# KiCad board ergodonk_ds_oled.kicad_pcb (continued)
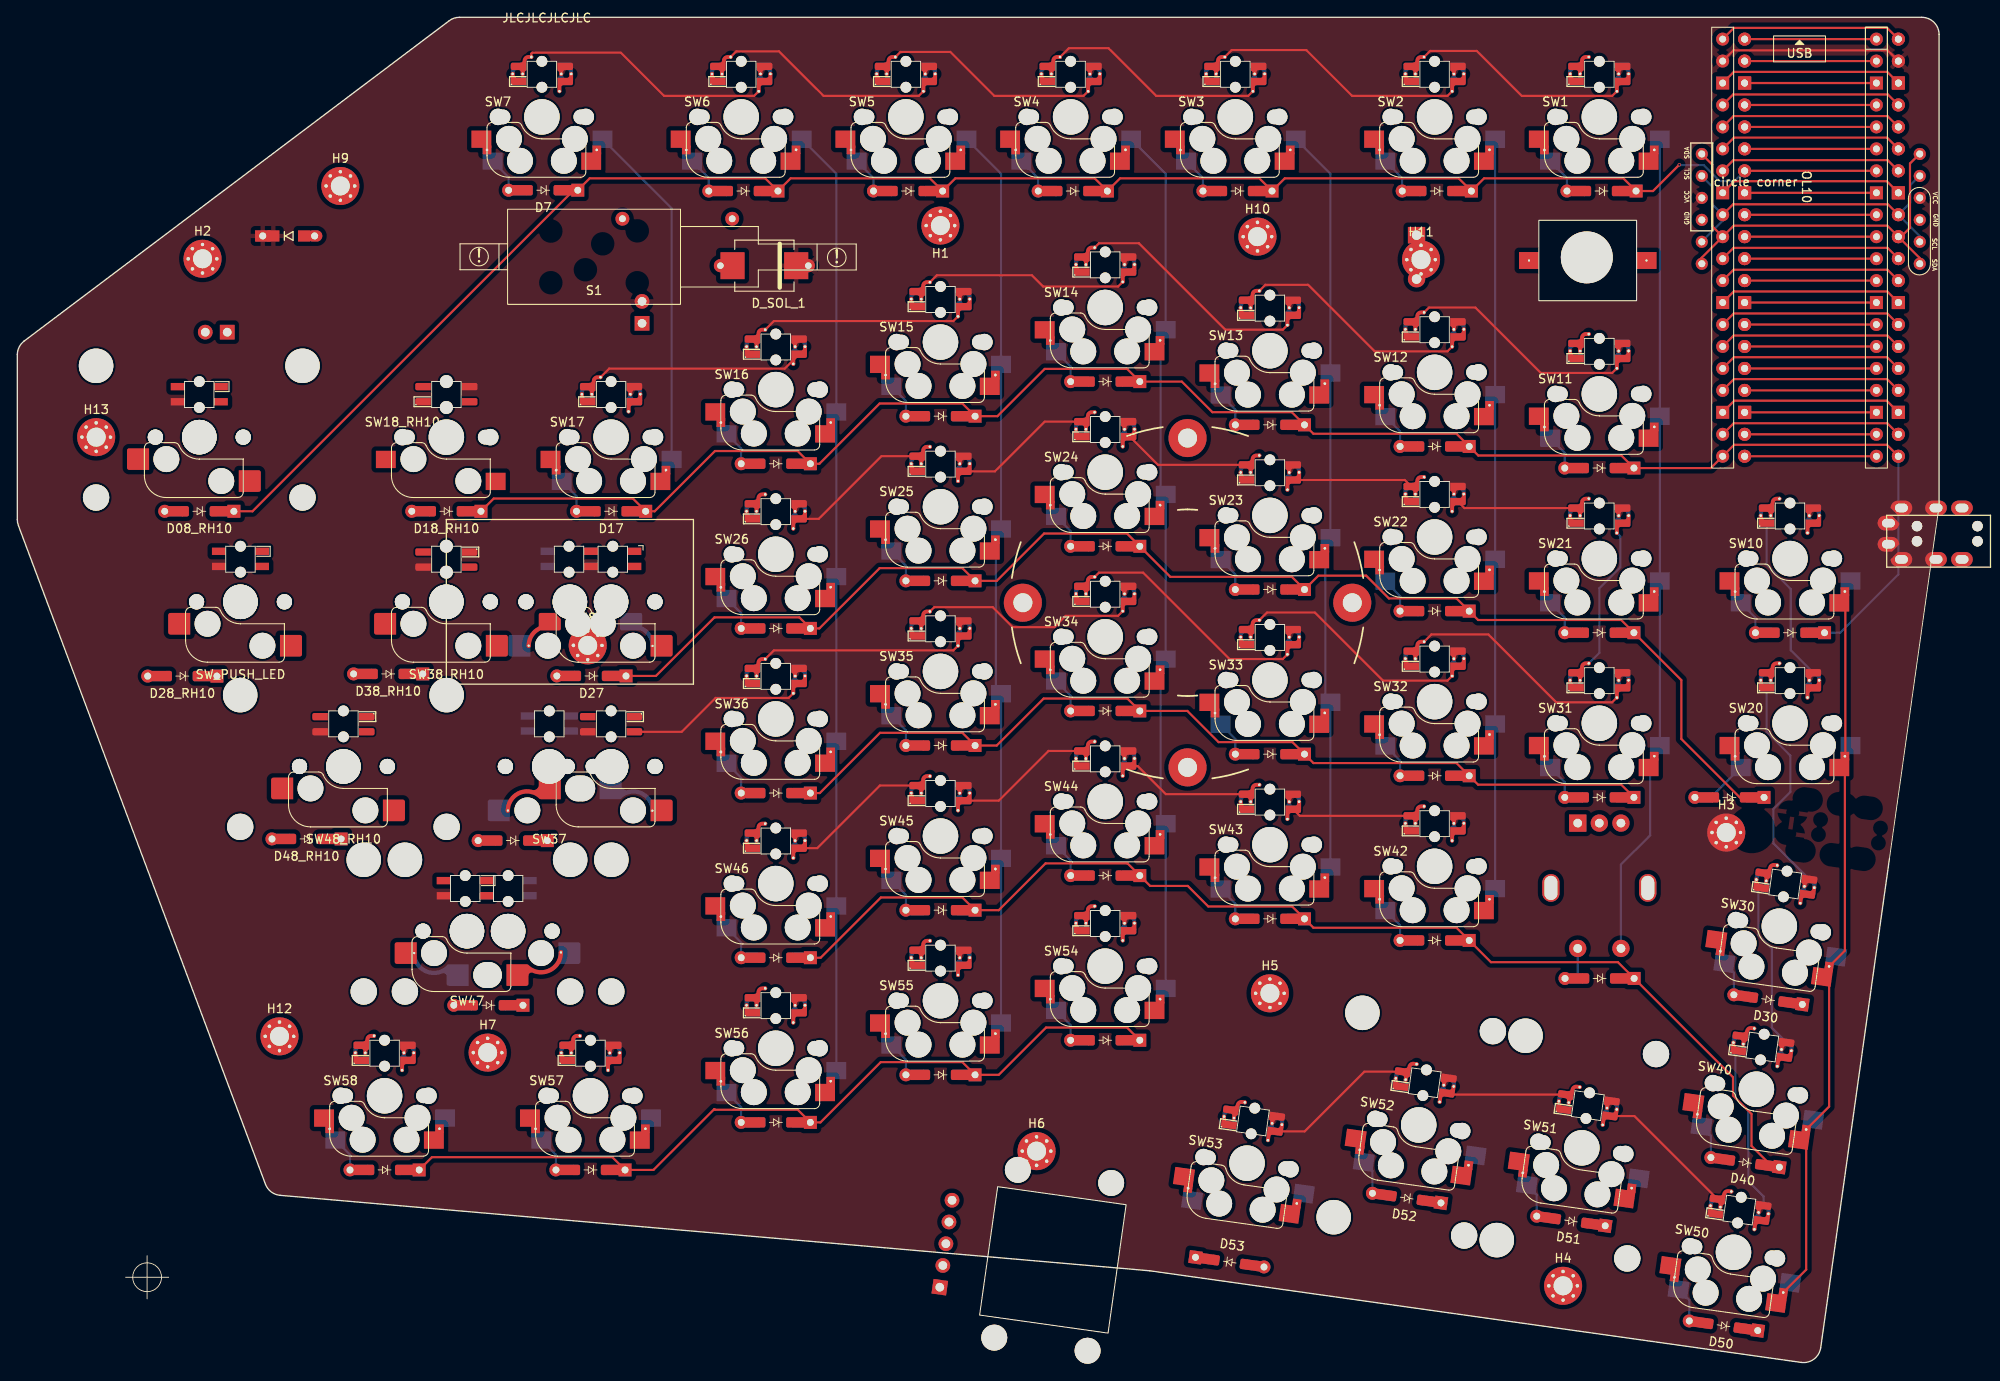
[diagram p0: board, top side]
## Footprints (pads in the part's own frame, mm; a bottom-side part is the same pattern mirrored in y, then rotated) (continued)
OLED SSD1306 128x64 UNVERIFIED v2
  round 1.397 hole 0.813: 1(-5.936,12.605) 1(-5.936,-12.605) 1(6.764,12.605) 1(6.764,-12.605) 2(-3.396,12.605) 2(-3.396,-12.605) 2(4.224,12.605) 2(4.224,-12.605) 3(-0.856,12.605) 3(-0.856,-12.605) 4(1.684,12.605) 4(1.684,-12.605)
pimoroni_trackball
  round 3 hole 3 unplated: (7.05,-14.7) (7.05,4.9) (17.95,-14.7) (17.95,4.9)
  rect 1.7x1.7 hole 1: 1(0,0)
  oval 1.7x1.7 hole 1: 2(0,-2.54) 3(0,-5.08) 4(0,-7.62) 5(0,-10.16)
PinHeader_1x02_P2.54mm_Vertical
  rect 1.7x1.7 hole 1: 1(0,0)
  oval 1.7x1.7 hole 1: 2(0,-2.54)
R_Axial_DIN0309_L9.0mm_D3.2mm_P12.70mm_Horizontal
  round 1.6 hole 0.8: 1(0,0)
  oval 1.6x1.6 hole 0.8: 2(12.7,0)
RotaryEncoder_EC11_ergodonk_variant
  oval 3.2x2 hole 2.8x1.5 unplated: (0,-5.6) (0,5.6)
  rect 2x2 hole 1: A(-7.5,2.5)
  round 2 hole 1: B(-7.5,-2.5) C(-7.5,0) S1(7,-2.5) S2(7,2.5)
RPi_Pico_SMD_TH - Junco -DS Sofle v3b v4
  round 1.5 hole 0.8: 1(-6.423,24.13) 1(-6.423,24.13) 1(8.817,24.13) 2(-6.423,21.59) 2(-6.423,21.59) 2(8.817,21.59) 4(-6.423,16.51) 4(-6.423,16.51) 4(8.817,16.51) 5(-6.423,13.97) 5(-6.423,13.97) 5(8.817,13.97) 6(-6.423,11.43) 6(-6.423,11.43) 6(8.817,11.43) 7(-6.423,8.89) 7(-6.423,8.89) 7(8.817,8.89) 9(-6.423,3.81) 9(-6.423,3.81) 9(8.817,3.81) 10(-6.423,1.27) 10(-6.423,1.27) 10(8.817,1.27) 11(-6.423,-1.27) 11(-6.423,-1.27) 11(8.817,-1.27) 12(-6.423,-3.81) 12(-6.423,-3.81) 12(8.817,-3.81) 14(-6.423,-8.89) 14(-6.423,-8.89) 14(8.817,-8.89) 15(-6.423,-11.43) 15(-6.423,-11.43) 15(8.817,-11.43) 16(-6.423,-13.97) 16(-6.423,-13.97) 16(8.817,-13.97) 17(-6.423,-16.51) 17(-6.423,-16.51) 17(8.817,-16.51) 19(-6.423,-21.59) 19(-6.423,-21.59) 19(8.817,-21.59) 20(-6.423,-24.13) 20(-6.423,-24.13) 20(8.817,-24.13) 21(-8.963,-24.13) 21(11.357,-24.13) 21(11.357,-24.13) 22(-8.963,-21.59) 22(11.357,-21.59) 22(11.357,-21.59) 24(-8.963,-16.51) 24(11.357,-16.51) 24(11.357,-16.51) 25(-8.963,-13.97) 25(11.357,-13.97) 25(11.357,-13.97) 26(-8.963,-11.43) 26(11.357,-11.43) 26(11.357,-11.43) 27(-8.963,-8.89) 27(11.357,-8.89) 27(11.357,-8.89) 29(-8.963,-3.81) 29(11.357,-3.81) 29(11.357,-3.81) 30(-8.963,-1.27) 30(11.357,-1.27) 30(11.357,-1.27) 31(-8.963,1.27) 31(11.357,1.27) 31(11.357,1.27) 32(-8.963,3.81) 32(11.357,3.81) 32(11.357,3.81) 34(-8.963,8.89) 34(11.357,8.89) 34(11.357,8.89) 35(-8.963,11.43) 35(11.357,11.43) 35(11.357,11.43) 36(-8.963,13.97) 36(11.357,13.97) 36(11.357,13.97) 37(-8.963,16.51) 37(11.357,16.51) 37(11.357,16.51) 39(-8.963,21.59) 39(11.357,21.59) 39(11.357,21.59) 40(-8.963,24.13) 40(11.357,24.13) 40(11.357,24.13)
  rect 1.5x1.5 hole 0.8: 3(-6.423,19.05) 3(-6.423,19.05) 3(8.817,19.05) 8(-6.423,6.35) 8(-6.423,6.35) 8(8.817,6.35) 13(-6.423,-6.35) 13(-6.423,-6.35) 13(8.817,-6.35) 18(-6.423,-19.05) 18(-6.423,-19.05) 18(8.817,-19.05) 23(-8.963,-19.05) 23(11.357,-19.05) 23(11.357,-19.05) 28(-8.963,-6.35) 28(11.357,-6.35) 28(11.357,-6.35) 33(-8.963,6.35) 33(11.357,6.35) 33(11.357,6.35) 38(-8.963,19.05) 38(11.357,19.05) 38(11.357,19.05)
Tenting_Puck.kicad_mod_nocenter
  round 4.4 hole 2.2: 1(-19.05,0) 1(0,19.05) 1(0,-19.05) 1(19.05,0)
Tip 120 with heatsink
  round 6 hole 6 unplated: (0.03,-8.453)
  rect 1.905x2 hole 1.1: 1(-2.54,11.238)
  oval 1.905x2 hole 1.1: 2(0,11.238) 3(2.54,11.238)
uxcell a14092600ux0438 solenoid
  round 0.001 hole 2.2 unplated: (-5,3) (-5,-3) (-1,-1.5) (1,1.5) (5,3) (5,-2.975)
V2_CherryMX_DoubleSided_Hotswap_miniE_1.5u_LH_1u_RH
  round 1.75 hole 1.75 unplated: (-5.08,0) (-5.08,0) (-0.318,0) (-0.318,0) (5.08,0) (5.08,0) (9.842,0) (9.842,0)
  round 3 hole 3 unplated: (-2.54,-5.08) (0.953,-2.54) (3.81,-2.54) (7.303,-5.08)
  round 1.25 hole 1.25 unplated: (-0.1,6.43) (-0.1,3.43) (4.963,6.43) (4.963,3.43)
  round 3.988 hole 3.988 unplated: (0,0) (0,0) (4.763,0) (4.763,0)
  rect 1.6x0.85 smd far side: 1(-2.6,5.845) 2(-2.6,4.095) 3(2.4,4.095) 4(2.4,5.845)
  rect 1.6x0.85 smd: 1(2.462,4.095) 2(2.462,5.845) 3(7.463,5.845) 4(7.463,4.095)
  custom 4.001x4.061 smd far side: 5(7.085,-2.3)
  round 0.5 hole 0.25: 5(9.561,-5.101) 6(-4.761,-5.08)
  rrect 2.55x2.5 smd: 5(10.604,-5.08)
  rrect 2.55x2.5 smd far side: 6(-5.842,-5.08)
  custom 3.964x4.04 smd: 6(-2.322,-2.3)
V2_CherryMX_DoubleSided_Hotswap_miniE_1.5u_RH_ONLY
  round 1.75 hole 1.75 unplated: (-5.08,0) (-5.08,0) (5.08,0) (5.08,0)
  round 3 hole 3 unplated: (-3.81,-2.54) (2.54,-5.08)
  round 1.25 hole 1.25 unplated: (0,6.43) (0,3.43)
  round 3.988 hole 3.988 unplated: (0,0) (0,0)
  rect 1.6x0.85 smd: 1(-2.5,4.095) 2(-2.5,5.845) 3(2.5,5.845) 4(2.5,4.095)
  rrect 2.55x2.5 smd: 5(5.842,-5.08) 6(-7.085,-2.54)
V2_CherryMX_DoubleSided_Hotswap_miniE_1.75u_LH_1u_RH
  round 1.75 hole 1.75 unplated: (-5.08,0) (-5.08,0) (2.064,0) (2.064,0) (5.08,0) (5.08,0) (12.224,0) (12.224,0)
  round 3 hole 3 unplated: (-2.54,-5.08) (3.334,-2.54) (3.81,-2.54) (9.684,-5.08)
  round 1.25 hole 1.25 unplated: (0,6.43) (0,3.43) (7.144,6.429) (7.144,3.43)
  round 3.988 hole 3.988 unplated: (0,0) (0,0) (7.144,0) (7.144,0)
  rrect 1.82x0.85 smd: (4.454,4.015)
  rrect 1.82x0.84 smd: (4.454,5.765) (9.834,4.02)
  rect 1.38x0.84 smd: (9.614,5.77)
  rrect 1.49x0.84 smd: (9.999,5.77)
  rect 1.6x0.85 smd far side: 1(-2.5,5.845) 2(-2.5,4.095) 3(2.5,4.095) 4(2.5,5.845)
  custom 1.8x0.85 smd: 1(4.444,4.015) 2(4.444,5.765) 3(9.844,5.76) 4(9.844,4.015)
  custom 6.373x4.074 smd far side: 5(7.085,-2.54)
  round 0.5 hole 0.25: 5(11.933,-5.114) 6(-4.796,-5.102)
  rrect 2.55x2.5 smd: 5(12.986,-5.08)
  rrect 2.55x2.5 smd far side: 6(-5.842,-5.08)
  custom 6.379x4.062 smd: 6(0.059,-2.54)
V2_CherryMX_DoubleSided_Hotswap_miniE_2.25u_LH_2.75u_RH
  round 3.988 hole 3.988 unplated: (-11.938,7.931) (-7.176,7.931) (0,-0.324) (0,-0.324) (4.763,-0.324) (4.763,-0.324) (11.938,7.931) (16.701,7.931)
  round 3.048 hole 3.048 unplated: (-11.938,-7.309) (-7.176,-7.309) (11.938,-7.309) (16.701,-7.309)
  round 1.75 hole 1.75 unplated: (-5.08,-0.324) (-5.08,-0.324) (-0.318,-0.324) (-0.318,-0.324) (5.08,-0.324) (5.08,-0.324) (9.842,-0.324) (9.842,-0.324)
  round 3 hole 3 unplated: (-3.81,-2.864) (2.223,-5.404) (2.54,-5.404) (8.572,-2.864)
  round 1.25 hole 1.25 unplated: (-0.2,6.105) (-0.19,3.106) (4.763,6.105) (4.763,3.106)
  rect 1.6x0.85 smd: 1(-2.7,3.77) 2(-2.7,5.52) 3(2.3,5.52) 4(2.3,3.77)
  rect 1.6x0.85 smd far side: 1(2.263,5.52) 2(2.263,3.77) 3(7.263,3.77) 4(7.263,5.52)
  custom 6.551x4.116 smd: 5(5.842,-5.404)
  round 0.5 hole 0.25: 5(10.87,-2.78) 6(-6.107,-2.864)
  rrect 2.55x2.5 smd far side: 5(11.848,-2.864)
  rrect 2.55x2.5 smd: 6(-7.085,-2.864)
  custom 6.552x4.04 smd far side: 6(-1.079,-5.404)
V2_CherryMX_DoubleSided_Hotswap_miniE_2.25u_RH_ONLY
  round 3.988 hole 3.988 unplated: (-11.938,8.255) (0,0) (0,0) (11.938,8.255)
  round 3.048 hole 3.048 unplated: (-11.938,-6.985) (11.938,-6.985)
  round 1.75 hole 1.75 unplated: (-5.08,0) (-5.08,0) (5.08,0) (5.08,0)
  round 3 hole 3 unplated: (-3.81,-2.54) (2.54,-5.08)
  rrect 1.82x0.85 smd: (-2.69,4.015)
  rrect 1.82x0.84 smd: (-2.69,5.765) (2.69,4.02)
  round 1.25 hole 1.25 unplated: (0,6.429) (0,3.43)
  rect 1.38x0.84 smd: (2.47,5.77)
  rrect 1.49x0.84 smd: (2.855,5.77)
  custom 1.8x0.85 smd: 1(-2.7,4.015) 2(-2.7,5.765) 3(2.7,5.76) 4(2.7,4.015)
  rrect 2.55x2.5 smd: 5(5.842,-5.08) 6(-7.085,-2.54)
V2_CherryMX_DoubleSided_Hotswap_miniE_2u_RH_ONLY
  round 3.988 hole 3.988 unplated: (-11.938,8.255) (0,0) (0,0) (11.938,8.255)
  round 3.048 hole 3.048 unplated: (-11.938,-6.985) (11.938,-6.985)
  round 1.75 hole 1.75 unplated: (-5.08,0) (-5.08,0) (5.08,0) (5.08,0)
  round 3 hole 3 unplated: (-3.81,-2.54) (2.54,-5.08)
  round 1.25 hole 1.25 unplated: (0,6.43) (0,3.43)
  rect 1.6x0.85 smd: 1(-2.5,4.095) 2(-2.5,5.845) 3(2.5,5.845) 4(2.5,4.095)
  rrect 2.55x2.5 smd: 5(5.842,-5.08) 6(-7.085,-2.54)
V2_CherryMX_DS_Hotswap_miniE_1U_SEED_RH
  round 1.75 hole 1.75 unplated: (-5.08,0) (-5.08,0) (5.08,0) (5.08,0)
  round 3 hole 3 unplated: (-3.81,-2.54) (2.54,-5.08)
  rrect 1.82x0.85 smd: (-2.69,4.015)
  rrect 1.82x0.84 smd: (-2.69,5.765) (2.69,4.02)
  round 1.5 hole 1.5 unplated: (0,6.429) (0,3.43)
  round 3.988 hole 3.988 unplated: (0,0) (0,0)
  rect 1.38x0.84 smd: (2.47,5.77)
  rrect 1.49x0.84 smd: (2.855,5.77)
  custom 1.8x0.85 smd: 1(-2.7,4.015) 2(-2.7,5.765) 3(2.7,5.76) 4(2.7,4.015)
  rrect 2.55x2.5 smd: 5(5.842,-5.08) 6(-7.085,-2.54)

## Nets
GND: J10.5 J11.2 LS10.2 OL10.4 Q1.3 SW1.3 SW2.3 SW3.3 SW4.3 SW5.3 SW6.3 SW7.3 SW08_RH10.3 SW10.3 SW11.3 SW12.3 SW13.3 SW14.3 SW15.3 SW16.3 SW17.3 SW18_RH10.3 SW20.3 SW21.3 SW22.3 SW23.3 SW24.3 SW25.3 SW26.3 SW27.3 SW28_RH10.3 SW30.3 SW31.3 SW32.3 SW33.3 SW34.3 SW35.3 SW36.3 SW37.3 SW38_RH10.3 SW40.3 SW42.3 SW43.3 SW44.3 SW45.3 SW46.3 SW47.3 SW48_RH10.3 SW50.3 SW51.3 SW52.3 SW53.3 SW54.3 SW55.3 SW56.3 SW57.3 SW58.3 SWLH_ROT1.C U11.23 U11.28
VCC: D18.1 D_SOL_1.C J10.1 J11.1 J_SOL_1.2 OL10.3 SW1.1 SW2.1 SW3.1 SW4.1 SW5.1 SW6.1 SW7.1 SW08_RH10.1 SW10.1 SW11.1 SW12.1 SW13.1 SW14.1 SW15.1 SW16.1 SW17.1 SW18_RH10.1 SW20.1 SW21.1 SW22.1 SW23.1 SW24.1 SW25.1 SW26.1 SW27.1 SW28_RH10.1 SW30.1 SW31.1 SW32.1 SW33.1 SW34.1 SW35.1 SW36.1 SW37.1 SW38_RH10.1 SW40.1 SW42.1 SW43.1 SW44.1 SW45.1 SW46.1 SW47.1 SW48_RH10.1 SW50.1 SW51.1 SW52.1 SW53.1 SW54.1 SW55.1 SW56.1 SW57.1 SW58.1 U11.39
col0: SW10.6 SW20.6 SW30.6 SW40.6 SW50.6 U11.12
col2: SW2.6 SW12.6 SW22.6 SW32.6 SW42.6 SW52.6 U11.15
col3: SW3.6 SW13.6 SW23.6 SW33.6 SW43.6 SW53.6 U11.16
col4: SW4.6 SW14.6 SW24.6 SW34.6 SW44.6 SW54.6 U11.17
col5: SW5.6 SW15.6 SW25.6 SW35.6 SW45.6 SW55.6 U11.19
col6: SW6.6 SW16.6 SW26.6 SW36.6 SW46.6 SW56.6 U11.4
col7: SW7.6 SW17.6 SW27.6 SW37.6 SW47.6 SW57.6 U11.5
col8: SW08_RH10.6 SW18_RH10.6 SW28_RH10.6 SW38_RH10.6 SW48_RH10.6 SW58.6 U11.20
DATA: J11.3 U11.1
encA: SWLH_ROT1.A U11.25
encB: SWLH_ROT1.B U11.24
LED: SW11.4 U11.2
row0: D1.1 D2.1 D3.1 D4.1 D5.1 D6.1 D7.1 D08_RH10.1 U11.7
row1: D10.1 D11.1 D12.1 D13.1 D14.1 D15.1 D16.1 D17.1 D18_RH10.1 U11.21
row2: D20.1 D21.1 D22.1 D23.1 D24.1 D25.1 D26.1 D27.1 D28_RH10.1 U11.6
row3: D30.1 D31.1 D32.1 D33.1 D34.1 D35.1 D36.1 D37.1 D38_RH10.1 U11.9
row4: D40.1 D41.1 D42.1 D43.1 D44.1 D45.1 D46.1 D47.1 D48_RH10.1 U11.10
row5: D50.1 D51.1 D52.1 D53.1 D54.1 D55.1 D56.1 D57.1 D58.1 U11.11
SCL: J10.3 OL10.2 U11.32
SDA: J10.2 OL10.1 U11.31
SOLENOID_CONTROL: R2.2 U11.26
SPEAKER: LS10.1 U11.27
SW41A: SW1.6 SW11.6 SW21.6 SW31.6 SW51.6 SWLH_ROT1.S1 U11.14
SW41B: D41.2 SWLH_ROT1.S2
Net-(D1-A): D1.2 SW1.5
Net-(D2-A): D2.2 SW2.5
Net-(D3-A): D3.2 SW3.5
Net-(D4-A): D4.2 SW4.5
Net-(D5-A): D5.2 SW5.5
Net-(D6-A): D6.2 SW6.5
Net-(D7-A): D7.2 SW7.5
Net-(D08_RH10-A): D08_RH10.2 SW08_RH10.5
Net-(D10-A): D10.2 SW10.5
Net-(D11-A): D11.2 SW11.5
Net-(D12-A): D12.2 SW12.5
Net-(D13-A): D13.2 SW13.5
Net-(D14-A): D14.2 SW14.5
Net-(D15-A): D15.2 SW15.5
Net-(D16-A): D16.2 SW16.5
Net-(D17-A): D17.2 SW17.5
Net-(D18-A): D18.2 U11.40
Net-(D18_RH10-A): D18_RH10.2 SW18_RH10.5
Net-(D20-A): D20.2 SW20.5
Net-(D21-A): D21.2 SW21.5
Net-(D22-A): D22.2 SW22.5
Net-(D23-A): D23.2 SW23.5
Net-(D24-A): D24.2 SW24.5
Net-(D25-A): D25.2 SW25.5
Net-(D26-A): D26.2 SW26.5
Net-(D27-A): D27.2 SW27.5
Net-(D28_RH10-A): D28_RH10.2 SW28_RH10.5
Net-(D30-A): D30.2 SW30.5
Net-(D31-A): D31.2 SW31.5
Net-(D32-A): D32.2 SW32.5
Net-(D33-A): D33.2 SW33.5
Net-(D34-A): D34.2 SW34.5
Net-(D35-A): D35.2 SW35.5
Net-(D36-A): D36.2 SW36.5
Net-(D37-A): D37.2 SW37.5
Net-(D38_RH10-A): D38_RH10.2 SW38_RH10.5
Net-(D40-A): D40.2 SW40.5
Net-(D42-A): D42.2 SW42.5
Net-(D43-A): D43.2 SW43.5
Net-(D44-A): D44.2 SW44.5
Net-(D45-A): D45.2 SW45.5
Net-(D46-A): D46.2 SW46.5
Net-(D47-A): D47.2 SW47.5
Net-(D48_RH10-A): D48_RH10.2 SW48_RH10.5
Net-(D50-A): D50.2 SW50.5
Net-(D51-A): D51.2 SW51.5
Net-(D52-A): D52.2 SW52.5
Net-(D53-A): D53.2 SW53.5
Net-(D54-A): D54.2 SW54.5
Net-(D55-A): D55.2 SW55.5
Net-(D56-A): D56.2 SW56.5
Net-(D57-A): D57.2 SW57.5
Net-(D58-A): D58.2 SW58.5
Net-(J_SOL_1-Pin_1): D_SOL_1.A J_SOL_1.1 Q1.2
Net-(JP3-A): JP3.1 SW48_RH10.4 SW58.2
Net-(JP3-B): JP3.2 SW08_RH10.2 SW53.4
Net-(Q1-B): Q1.1 R2.1
Net-(SW1B-DOUT): SW1.2 SW2.4
Net-(SW2B-DOUT): SW2.2 SW3.4
Net-(SW3B-DOUT): SW3.2 SW4.4
Net-(SW4B-DOUT): SW4.2 SW5.4
Net-(SW5B-DOUT): SW5.2 SW6.4
Net-(SW6B-DOUT): SW6.2 SW7.4
Net-(SW08_RH10B-DIN): SW08_RH10.4 SW18_RH10.2
Net-(SW10B-DIN): SW10.4 SW20.2
Net-(SW10B-DOUT): SW1.4 SW10.2
Net-(SW11B-DOUT): SW11.2 SW12.4
Net-(SW12B-DOUT): SW12.2 SW13.4
Net-(SW13B-DOUT): SW13.2 SW14.4
Net-(SW14B-DOUT): SW14.2 SW15.4
Net-(SW15B-DOUT): SW15.2 SW16.4
Net-(SW16B-DOUT): SW16.2 SW17.4
Net-(SW17B-DOUT): SW17.2 SW27.4
Net-(SW18_RH10B-DIN): SW18_RH10.4 SW28_RH10.2
Net-(SW20B-DIN): SW20.4 SW30.2
Net-(SW21B-DIN): SW21.4 SW22.2
Net-(SW21B-DOUT): SW21.2 SW31.4
Net-(SW22B-DIN): SW22.4 SW23.2
Net-(SW23B-DIN): SW23.4 SW24.2
Net-(SW24B-DIN): SW24.4 SW25.2
Net-(SW25B-DIN): SW25.4 SW26.2
Net-(SW26B-DIN): SW26.4 SW27.2
Net-(SW28_RH10B-DIN): SW28_RH10.4 SW38_RH10.2
Net-(SW30B-DIN): SW30.4 SW40.2
Net-(SW31B-DOUT): SW31.2 SW32.4
Net-(SW32B-DOUT): SW32.2 SW33.4
Net-(SW33B-DOUT): SW33.2 SW34.4
Net-(SW34B-DOUT): SW34.2 SW35.4
Net-(SW35B-DOUT): SW35.2 SW36.4
Net-(SW36B-DOUT): SW36.2 SW37.4
Net-(SW37B-DOUT): SW37.2 SW47.4
Net-(SW38_RH10B-DIN): SW38_RH10.4 SW48_RH10.2
Net-(SW40B-DIN): SW40.4 SW50.2
Net-(SW42B-DIN): SW42.4 SW43.2
Net-(SW42B-DOUT): SW42.2 SW54.4
Net-(SW43B-DIN): SW43.4 SW44.2
Net-(SW44B-DIN): SW44.4 SW45.2
Net-(SW45B-DIN): SW45.4 SW46.2
Net-(SW46B-DIN): SW46.4 SW47.2
Net-(SW50B-DIN): SW50.4 SW51.2
Net-(SW51B-DIN): SW51.4 SW52.2
Net-(SW52B-DIN): SW52.4 SW53.2
Net-(SW54B-DOUT): SW54.2 SW55.4
Net-(SW55B-DOUT): SW55.2 SW56.4
Net-(SW56B-DOUT): SW56.2 SW57.4
Net-(SW57B-DOUT): SW57.2 SW58.4

Pads without a net: H1 1; H2 1; H3 1; H4 1; H5 1; H6 1; H7 1; H8 1; H9 1; H10 1; H11 1; H12 1; H13 1; J10 4; J11 4; REF**#2 1; SW7 2; U11 3 8 13 18 22 29 30 33 34 35 36 37 38

## Via types
v1: diameter 0.4, hole 0.25, Top to Bottom, 1 via

## Routing (per net, layer and track width the routed paths; a pad name or vN(x,y) marks a point on that pad's centre or on a via; arc(x,y) is an arc through that point)
GND: length 42.8
  Top w0.25: U11.23 198.59,111.26 216.21,111.26 U11.23 ; U11.28 198.53,123.9 216.27,123.9 U11.28
VCC: length 21.3
  Top w0.25: U11.39 198.48,151.79 216.32,151.79 U11.39
col0: length 99.3
  Top w0.25: SW50.6 206.9,10.73 SW40.6 209.55,29.6 SW30.6 211.38,47.64 SW20.6 211.43,70.19 211.43,89.13 SW10.6 ; U11.12 U11.12
col2: length 102
  Top w0.25: U11.15 U11.15 ; 170.33,53.64 SW42.6
  Bottom w0.25: SW2.6 SW12.6 SW22.6 SW32.6 SW42.6
col3: length 101.1
  Top w0.25: U11.16 U11.16
  Bottom w0.25: SW33.6 151.28,75.19 151.28,94.13 SW23.6 ; SW23.6 SW13.6 151.88,137.52 SW3.6 ; SW33.6 SW43.6
col4: length 115.2
  Top w0.25: U11.17 U11.17
  Bottom w0.25: SW14.6 132.23,118.18 132.23,99.24 SW24.6 ; SW34.6 132.23,80.08 132.23,61.14 SW44.6 ; SW4.6 132.82,137.52 SW14.6 ; SW34.6 SW24.6 ; SW54.6 SW44.6
col5: length 119.2
  Top w0.25: U11.19 U11.19
  Bottom w0.25: SW35.6 SW45.6 SW55.6 ; SW35.6 113.18,76.19 113.18,95.13 SW25.6 ; SW25.6 SW15.6 113.77,137.52 SW5.6
col6: length 124.6
  Top w0.25: U11.4 U11.4
  Bottom w0.25: SW56.6 SW46.6 SW36.6 SW26.6 SW16.6 94.73,137.52 SW6.6
col7: length 55.6
  Top w0.25: U11.5 U11.5
  Bottom w0.25: SW7.6 75.67,133.52 SW17.6
col8: length 15.2
  Top w0.25: U11.20 U11.20
DATA: length 15.2
  Top w0.25: U11.1 U11.1
encA: length 21.4
  Top w0.25: U11.25 198.54,116.29 216.26,116.29 U11.25
encB: length 21.4
  Top w0.25: U11.24 198.55,113.76 216.25,113.76 U11.24
LED: length 15.2
  Top w0.25: U11.2 U11.2
row0: length 215.2
  Top w0.25: D08_RH10.1 27.2,98.47 64.34,135.61 D7.1 66.2,136.99 86.5,136.99 D6.1 89.44,136.99 105.55,136.99 D5.1 108.49,136.99 124.61,136.99 D4.1 127.55,136.99 143.65,136.99 D3.1 146.59,136.99 166.7,136.99 D2.1 169.64,136.99 185.75,136.99 D1.1 189.18,135.52 v1(192.23,138.56) ; U11.7 U11.7
  Bottom w0.25: U11.7 198.59,136.66 196.91,136.66 195.06,138.51 192.27,138.51 v1(192.23,138.56)
row1: length 205.8
  Top w0.25: U11.21 216.23,106.16 198.57,106.16 U11.21 195.88,103.47 D11.1 185.52,104.92 168.97,104.92 D12.1 166.45,107.44 149.9,107.44 D13.1 147.41,109.93 138.23,109.93 134.69,113.47 D14.1 128.36,114.94 118.83,114.94 113.36,109.47 D15.1 109.3,110.94 99.74,110.94 92.77,103.97 D16.1 90.25,105.44 80.69,105.44 73.72,98.47 D17.1 71.2,99.94 55.09,99.94 D18_RH10.1
  Bottom w0.25: D10.1 210.82,84.42 217.56,91.16 U11.21
row2: length 173.9
  Top w0.25: U11.6 U11.6 ; D27.1 73.86,79.42 80.64,86.2 90.45,86.2 D26.1 92.77,84.92 99.74,91.89 109.3,91.89 D25.1 113.28,90.42 118.75,95.89 128.36,95.89 D24.1 133.36,90.88 147.41,90.88 D23.1 150.48,91.02 156,91.02 158.64,88.39 166.45,88.39 D22.1 168.95,85.89 185.5,85.89 D21.1 192.45,78.94 192.45,72.13 199.22,65.37 D20.1
row3: length 121
  Top w0.25: U11.9 U11.9 ; D31.1 185.5,66.84 168.95,66.84 D32.1 166.45,69.34 149.9,69.34 D33.1 147.48,71.76 138.94,71.76 135.33,75.37 D34.1 128.39,76.8 118.7,76.8 113.27,71.37 D35.1 109.3,72.84 99.78,72.84 92.81,65.87 D36.1
row4: length 151
  Top w0.25: U11.10 U11.10 ; D40.1 203.04,22.59 200.57,25.05 200.57,28.74 198.44,30.88 198.44,32.99 D41.1 185.12,46.3 170.44,46.3 D42.1 166.45,50.29 149.9,50.29 D43.1 147.44,52.75 137.75,52.75 135.38,55.12 131.02,55.12 D44.1 128.41,57.73 118.92,57.73 113.51,52.32 D45.1 109.3,53.79 99.88,53.79 92.91,46.82 D46.1
row5: length 109.7
  Top w0.25: D54.1 128.36,38.74 118.98,38.74 113.51,33.27 D55.1 109.3,34.74 99.86,34.74 92.89,27.77 D56.1 90.26,29.23 80.69,29.23 80.61,29.31 73.57,22.27 D57.1 68.82,23.74 47.95,23.74 D58.1 ; U11.11 U11.11
SCL: length 40.6
  Top w0.25: U11.32 216.35,133.98 198.45,133.98 U11.32
  Bottom w0.25: 194.8,129.65 197.24,132.09 U11.32 196,134.02 196,136.07 194.8,137.27 ; 220,129.65 220,130.33 U11.32 218.93,134.14 218.93,136.19 220,137.27
SDA: length 51
  Top w0.25: U11.31 196.01,131.46 196.01,138.59 194.8,139.81 ; U11.31 198.52,131.51 216.28,131.51 U11.31 ; U11.31 194.8,127.79 194.8,127.11 ; 220,139.81 218.9,138.71 218.9,131.27 217.87,130.24 U11.31 ; U11.31 220,127.79 220,127.11
SOLENOID_CONTROL: length 21.4
  Top w0.25: U11.26 198.51,118.8 216.29,118.8 U11.26
SPEAKER: length 21.4
  Top w0.25: U11.27 198.52,121.35 216.28,121.35 U11.27
SW41A: length 109.2
  Top w0.25: U11.14 U11.14
  Bottom w0.25: SW31.6 SW21.6 SW11.6 SW1.6 ; SWLH_ROT1.S1 185.48,57.6 188.86,60.98 188.86,69.67 SW31.6
SW41B: length 3.6
  Bottom w0.25: D41.2 180.48,44.76 SWLH_ROT1.S2
Net-(D1-A): length 4.3
  Bottom w0.25: SW1.5 179.23,137.03 D1.2
Net-(D2-A): length 4.3
  Bottom w0.25: SW2.5 160.18,137.03 D2.2
Net-(D3-A): length 4.3
  Bottom w0.25: D3.2 137.12,137.03 SW3.5
Net-(D4-A): length 4.3
  Bottom w0.25: D4.2 118.08,137.03 SW4.5
Net-(D5-A): length 4.3
  Bottom w0.25: SW5.5 99.02,137.03 D5.2
Net-(D6-A): length 4.3
  Bottom w0.25: SW6.5 79.97,137.03 D6.2
Net-(D7-A): length 4.1
  Bottom w0.25: SW7.5 56.83,137.13 D7.2
Net-(D10-A): length 4.2
  Bottom w0.25: SW10.5 201.02,86.18 D10.2
Net-(D11-A): length 4.2
  Bottom w0.25: SW11.5 178.98,105.23 D11.2
Net-(D12-A): length 4.2
  Bottom w0.25: D12.2 159.93,107.73 SW12.5
Net-(D13-A): length 4.2
  Bottom w0.25: D13.2 140.88,110.23 SW13.5
Net-(D14-A): length 4.2
  Bottom w0.25: D14.2 121.83,115.23 SW14.5
Net-(D15-A): length 4.2
  Bottom w0.25: D15.2 102.77,111.23 SW15.5
Net-(D16-A): length 4.2
  Bottom w0.25: SW16.5 83.72,105.73 D16.2
Net-(D17-A): length 4.2
  Bottom w0.25: SW17.5 64.67,100.23 D17.2
Net-(D18-A): length 21.4
  Top w0.25: U11.40 198.54,154.39 216.26,154.39 U11.40
Net-(D20-A): length 6.7
  Bottom w0.25: D20.2 195.87,65.37 SW20.5
Net-(D21-A): length 4.2
  Bottom w0.25: D21.2 178.98,86.18 SW21.5
Net-(D22-A): length 4.2
  Bottom w0.25: SW22.5 159.93,88.68 D22.2
Net-(D23-A): length 4.2
  Bottom w0.25: D23.2 140.88,91.18 SW23.5
Net-(D24-A): length 4.2
  Bottom w0.25: SW24.5 121.83,96.18 D24.2
Net-(D25-A): length 4.2
  Bottom w0.25: D25.2 102.77,92.18 SW25.5
Net-(D26-A): length 4.2
  Bottom w0.25: D26.2 83.72,86.68 SW26.5
Net-(D30-A): length 4.1
  Bottom w0.25: D30.2 198.53,45.09 SW30.5
Net-(D31-A): length 4.2
  Bottom w0.25: SW31.5 178.98,67.13 D31.2
Net-(D32-A): length 4.2
  Bottom w0.25: D32.2 159.93,69.63 SW32.5
Net-(D33-A): length 4.2
  Bottom w0.25: D33.2 140.88,72.13 SW33.5
Net-(D34-A): length 4.2
  Bottom w0.25: D34.2 121.83,77.13 SW34.5
Net-(D35-A): length 4.2
  Bottom w0.25: SW35.5 102.77,73.13 D35.2
Net-(D36-A): length 4.2
  Bottom w0.25: D36.2 83.72,67.63 SW36.5
Net-(D40-A): length 4.1
  Bottom w0.25: SW40.5 195.87,26.24 D40.2
Net-(D42-A): length 4.2
  Bottom w0.25: SW42.5 159.93,50.58 D42.2
Net-(D43-A): length 4.2
  Bottom w0.25: D43.2 140.88,53.08 SW43.5
Net-(D44-A): length 4.2
  Bottom w0.25: SW44.5 121.83,58.08 D44.2
Net-(D45-A): length 4.2
  Bottom w0.25: D45.2 102.77,54.08 SW45.5
Net-(D46-A): length 4.2
  Bottom w0.25: SW46.5 83.72,48.58 D46.2
Net-(D50-A): length 4.2
  Bottom w0.25: SW50.5 193.38,7.22 D50.2
Net-(D51-A): length 4.1
  Bottom w0.25: SW51.5 175.73,19.41 D51.2
Net-(D52-A): length 4
  Bottom w0.25: SW52.5 156.73,22.19 D52.2
Net-(D54-A): length 4.2
  Bottom w0.25: D54.2 121.83,39.03 SW54.5
Net-(D55-A): length 4.2
  Bottom w0.25: SW55.5 102.77,35.03 D55.2
Net-(D56-A): length 4.2
  Bottom w0.25: SW56.5 83.72,29.53 D56.2
Net-(D57-A): length 4.2
  Bottom w0.25: D57.2 62.29,24.03 SW57.5
Net-(D58-A): length 4.2
  Bottom w0.25: D58.2 38.48,24.03 SW58.5
Net-(SW1B-DOUT): length 25
  Top w0.25: 185,147.07 184.46,146.53 174,146.53 168.81,151.72 163.4,151.72 SW2.4
Net-(SW2B-DOUT): length 29.1
  Top w0.25: SW3.4 140.46,151.83 149.07,151.83 154.38,146.53 165.41,146.53 SW2.2
Net-(SW3B-DOUT): length 25.2
  Top w0.25: SW3.2 142.36,146.53 131.72,146.53 126.2,152.04 121.62,152.04 SW4.4
Net-(SW4B-DOUT): length 24.9
  Top w0.25: SW4.2 123.31,146.53 113,146.53 107.92,151.61 102.14,151.61 SW5.4
Net-(SW5B-DOUT): length 24.9
  Top w0.25: SW5.2 104.26,146.53 93.25,146.53 88.09,151.68 83.16,151.68 SW6.4
Net-(SW6B-DOUT): length 29
  Top w0.25: SW7.4 59.45,151.42 59.56,151.53 69.8,151.53 74.8,146.53 85.21,146.53 SW6.2
Net-(SW10B-DIN): length 19.5
  Bottom w0.25: SW20.2 205.12,82.39 205.12,89.48 202.32,92.27 SW10.4
Net-(SW11B-DOUT): length 25.9
  Top w0.25: SW12.4 163.27,122.04 168.63,122.04 176.2,114.48 184.46,114.48 185,115.02
Net-(SW12B-DOUT): length 26
  Top w0.25: SW13.4 144.35,124.67 149.3,124.67 156.99,116.98 165.41,116.98 SW12.2
Net-(SW13B-DOUT): length 26.9
  Top w0.25: SW13.2 146.36,119.48 139.72,119.48 129.71,129.48 129.71,129.48 125.11,129.48 SW14.4
Net-(SW14B-DOUT): length 23.4
  Top w0.25: SW14.2 127.31,124.48 118.64,124.48 117.34,125.77 106.35,125.77 SW15.4
Net-(SW15B-DOUT): length 22.9
  Top w0.25: SW15.2 108.26,120.48 87.51,120.48 SW16.4
Net-(SW16B-DOUT): length 24.1
  Top w0.25: SW17.4 68.46,114.98 88.76,114.98 SW16.2
Net-(SW20B-DIN): length 25.8
  Bottom w0.25: SW30.2 203.11,60.05 203.11,64.03 205.06,65.99 205.06,70.21 202.32,72.95 SW20.4
Net-(SW21B-DIN): length 14
  Top w0.25: SW22.2 167.38,98.84 180.27,98.84
Net-(SW21B-DOUT): length 16.8
  Bottom w0.25: SW31.4 182.99,82.11 182.99,89.58 185.4,91.99 185.4,95.57 185,95.97
Net-(SW22B-DIN): length 14
  Top w0.25: SW23.2 160.48,102.09 161.23,101.34
Net-(SW23B-DIN): length 15
  Top w0.25: SW24.2 128.68,107.09 131.93,103.84 142.18,103.84
Net-(SW24B-DIN): length 16
  Top w0.25: SW25.2 113.07,103.09 118.82,108.84 123.12,108.84
Net-(SW25B-DIN): length 16.7
  Top w0.25: 104.08,104.84 99.94,104.84 92.69,97.59 SW26.2
Net-(SW30B-DIN): length 19.4
  Bottom w0.25: SW40.2 202.93,38.71 202.93,47.88 201.37,49.43 201.37,54.58 SW30.4
Net-(SW31B-DOUT): length 26.1
  Top w0.25: 185,76.92 184.45,76.37 177.99,76.37 170.13,84.22 163.55,84.22 SW32.4
Net-(SW32B-DOUT): length 26.1
  Top w0.25: SW32.2 165.41,78.88 157.95,78.88 150.07,86.75 144.53,86.75 SW33.4
Net-(SW33B-DOUT): length 26.9
  Top w0.25: SW33.2 146.36,81.38 140.2,81.38 130.2,91.38 125.11,91.38 SW34.4
Net-(SW34B-DOUT): length 24.2
  Top w0.25: SW35.4 106.05,87.38 112.82,87.38 115.13,85.07 119.95,85.07 121.26,86.37 127.31,86.37 SW34.2
Net-(SW35B-DOUT): length 22.9
  Top w0.25: SW36.4 87.51,82.38 108.26,82.38 SW35.2
Net-(SW36B-DOUT): length 20.2
  Top w0.25: SW37.4 76.85,72.96 80.77,76.88 89.21,76.88 SW36.2
Net-(SW40B-DIN): length 19.4
  Bottom w0.25: SW40.4 198.72,35.71 198.72,30.6 200.2,29.11 200.2,20.96 201.97,19.2 SW50.2
Net-(SW42B-DIN): length 14
  Top w0.25: SW43.2 148.32,63.24 SW42.4
Net-(SW43B-DIN): length 15
  Top w0.25: SW43.4 132.84,65.74 129.59,68.99 SW44.2
Net-(SW44B-DIN): length 16
  Top w0.25: SW45.2 113.51,64.99 119.26,70.74 SW44.4
Net-(SW45B-DIN): length 16.7
  Top w0.25: SW46.2 92.51,59.49 99.76,66.74 SW45.4
Net-(SW50B-DIN): length 16.4
  Top w0.25: SW50.4 187.03,28.5 SW51.2
Net-(SW51B-DIN): length 13.8
  Top w0.25: SW51.4 165.5,30.99 SW52.2
Net-(SW52B-DIN): length 17.6
  Top w0.25: SW53.2 148.89,26.73 155.8,33.64 SW52.4
unconnected-(U11-3V3-Pad36): length 21.4
  Top w0.25: U11.36 216.3,144.19 198.5,144.19 U11.36
unconnected-(U11-3V3_EN-Pad37): length 21.3
  Top w0.25: U11.37 198.46,146.69 216.34,146.69 U11.37
unconnected-(U11-ADC_VREF-Pad35): length 21.4
  Top w0.25: U11.35 198.55,141.7 216.25,141.7 U11.35
unconnected-(U11-AGND-Pad33): length 21.4
  Top w0.25: U11.33 198.58,136.65 216.22,136.65 U11.33
unconnected-(U11-GND-Pad3): length 15.2
  Top w0.25: U11.3 U11.3
unconnected-(U11-GND-Pad8): length 15.2
  Top w0.25: U11.8 U11.8
unconnected-(U11-GND-Pad13): length 15.2
  Top w0.25: U11.13 U11.13
unconnected-(U11-GND-Pad18): length 15.2
  Top w0.25: U11.18 U11.18
unconnected-(U11-GND-Pad38): length 21.4
  Top w0.25: U11.38 216.27,149.3 198.53,149.3 U11.38
unconnected-(U11-GPIO17-Pad22): length 21.4
  Top w0.25: U11.22 216.28,108.65 198.52,108.65 U11.22
unconnected-(U11-GPIO22-Pad29): length 21.4
  Top w0.25: U11.29 216.3,126.41 198.5,126.41 U11.29
unconnected-(U11-GPIO28_ADC2-Pad34): length 21.3
  Top w0.25: U11.34 216.32,139.09 198.48,139.09 U11.34
unconnected-(U11-RUN-Pad30): length 21.4
  Top w0.25: U11.30 198.49,128.94 216.31,128.94 U11.30

## Copper pours and planes (outline as drawn; the poured copper is in the pictures)
GND on Bottom: -30.48,16.13 225.46,-5.88 231.25,162.43 4.74,160.66 -29.8,16.45
VCC on Top: 0.12,158.49 223.52,158.56 222.06,-5.27 -6.48,16.13 0.8,158.17

## Text on the board
F.Silkscreen: JLCJLCJLCJLC
